# Altium PCB Copy of DIOT_SMA16_.PcbDoc (part 1 of 6)
Units mm, origin at the board's own origin, x right, y up, seen from the top; angles counter-clockwise.
Board outline 222.37 x 100 mm, 6 copper layers (TopLayer, MidLayer1, MidLayer2, Layer 1, Layer 2, Bottom Layer), stack 1.556 mm thick; 432 components, 301 nets, 1783 pads, 831 vias.
Unrouted connection lines stored in the file: 8.
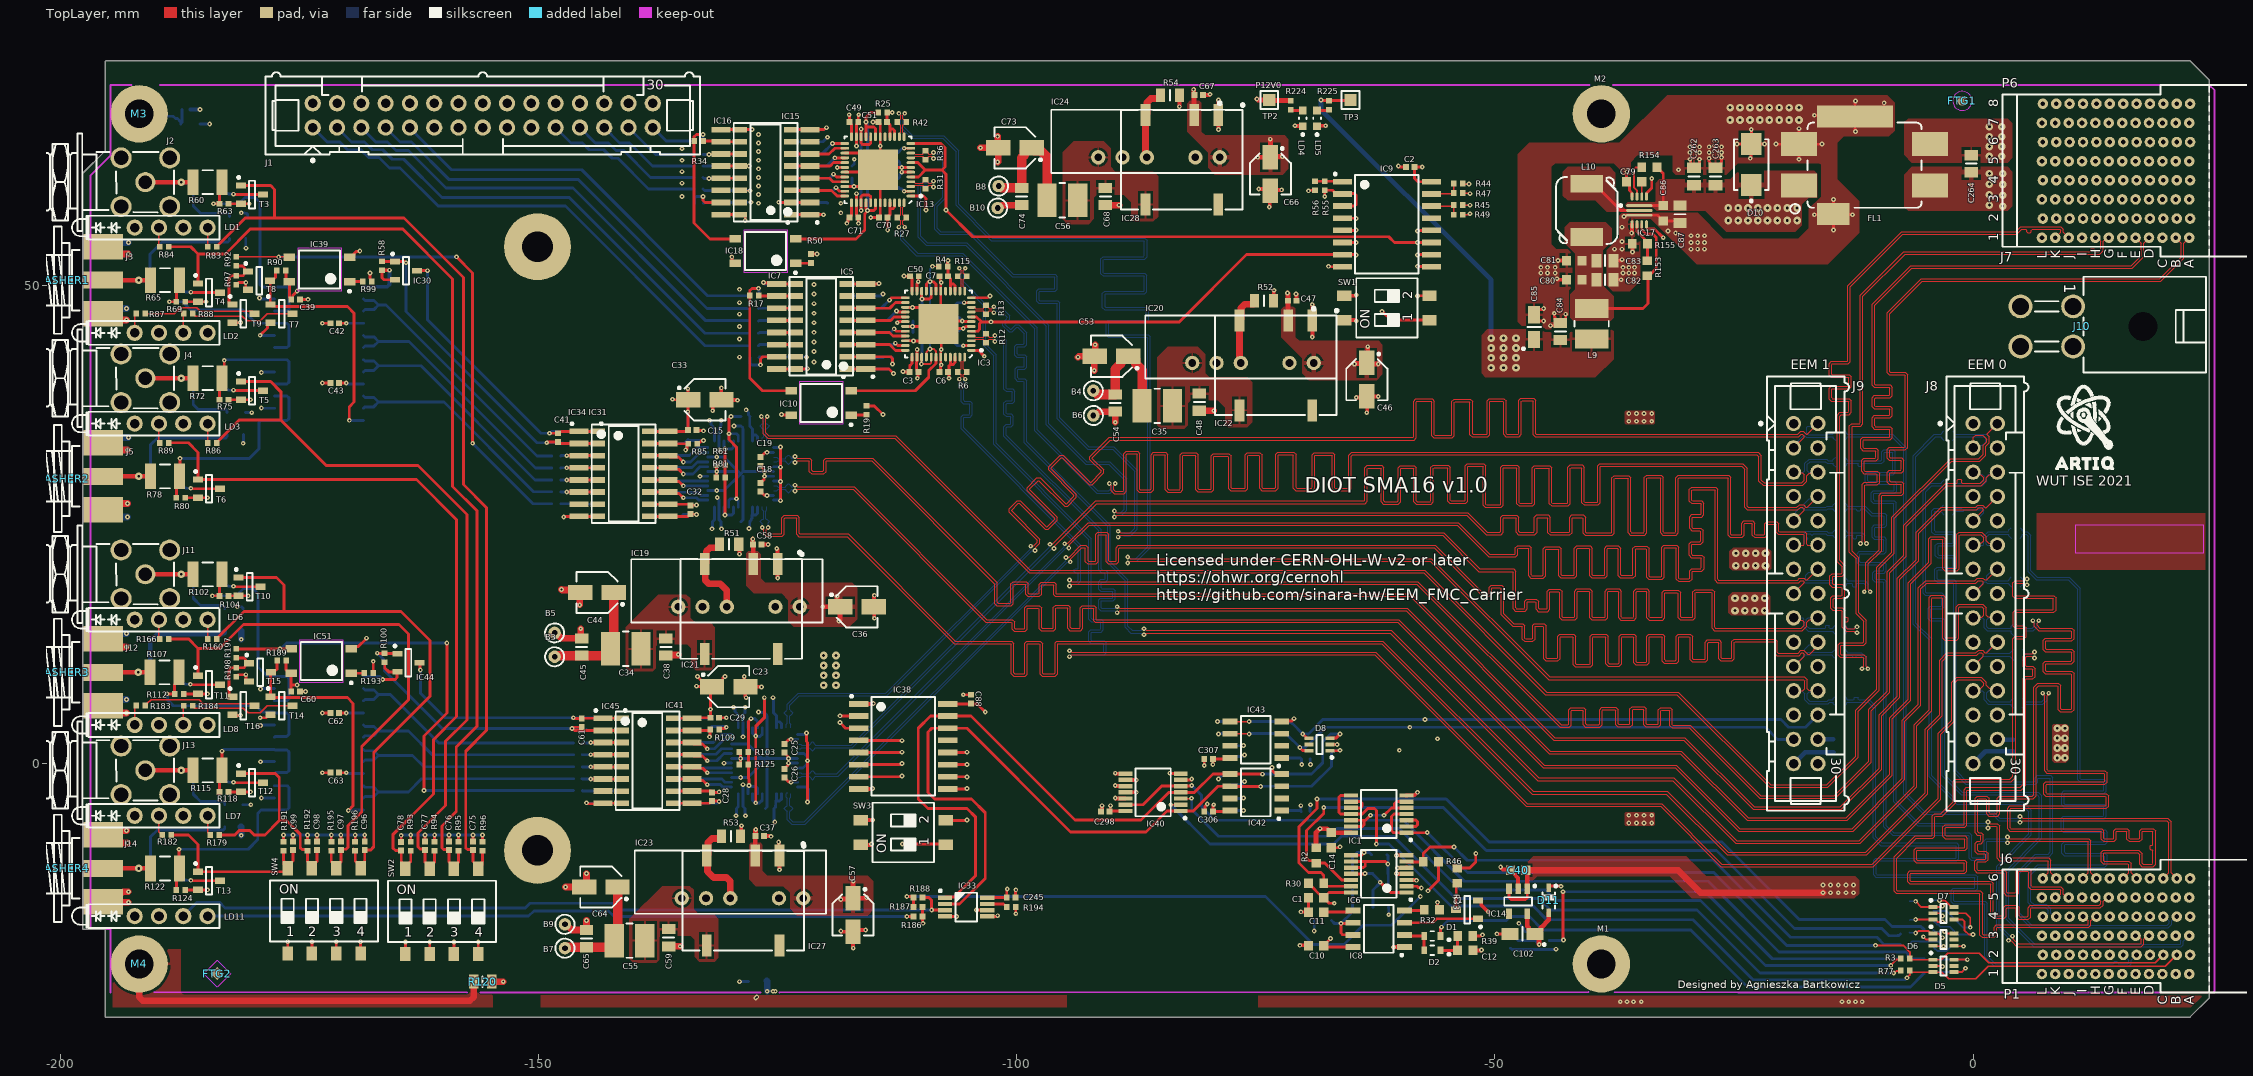
[diagram p0: TopLayer view]
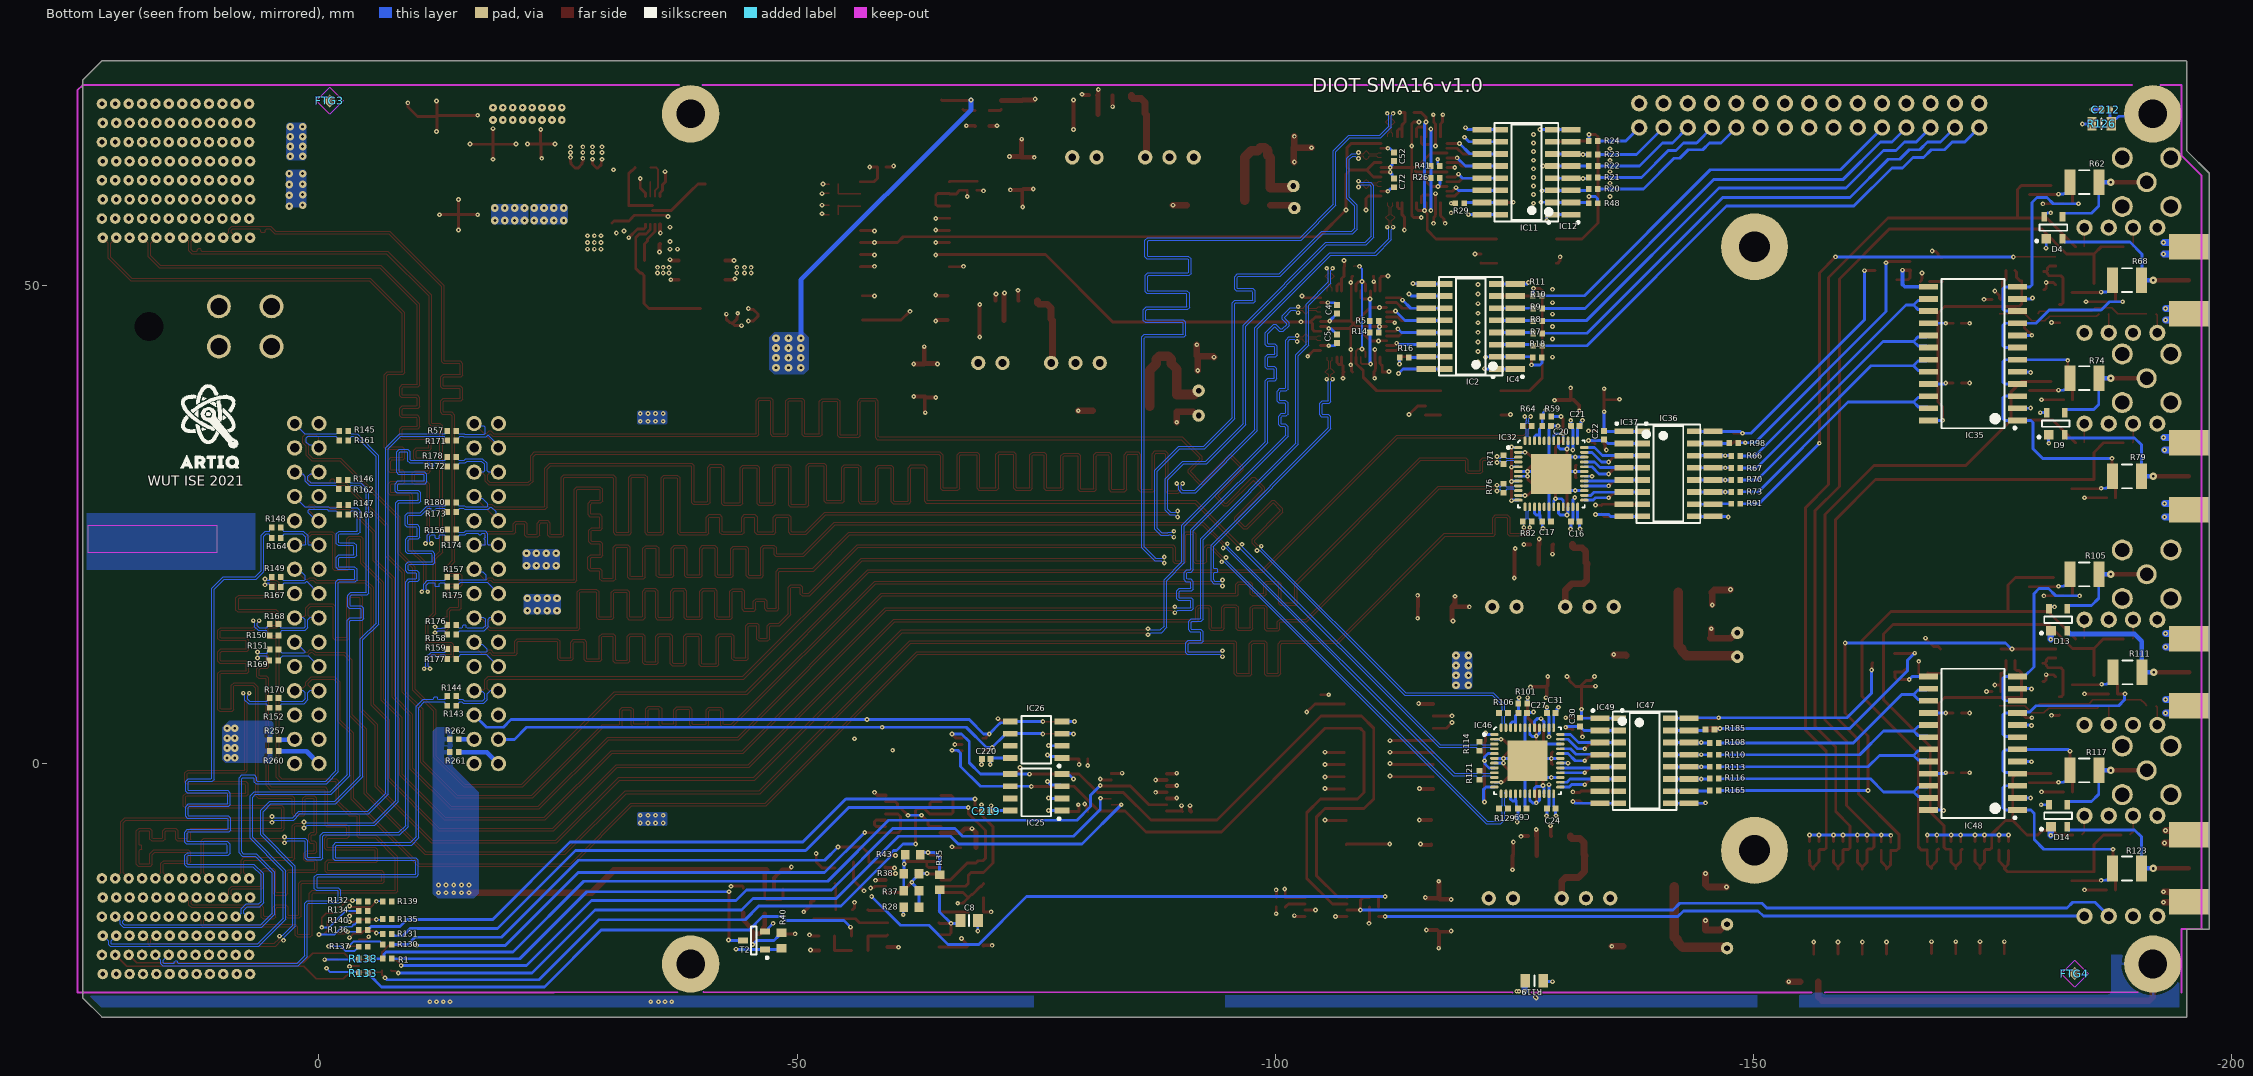
[diagram p1: Bottom Layer view, seen from below]
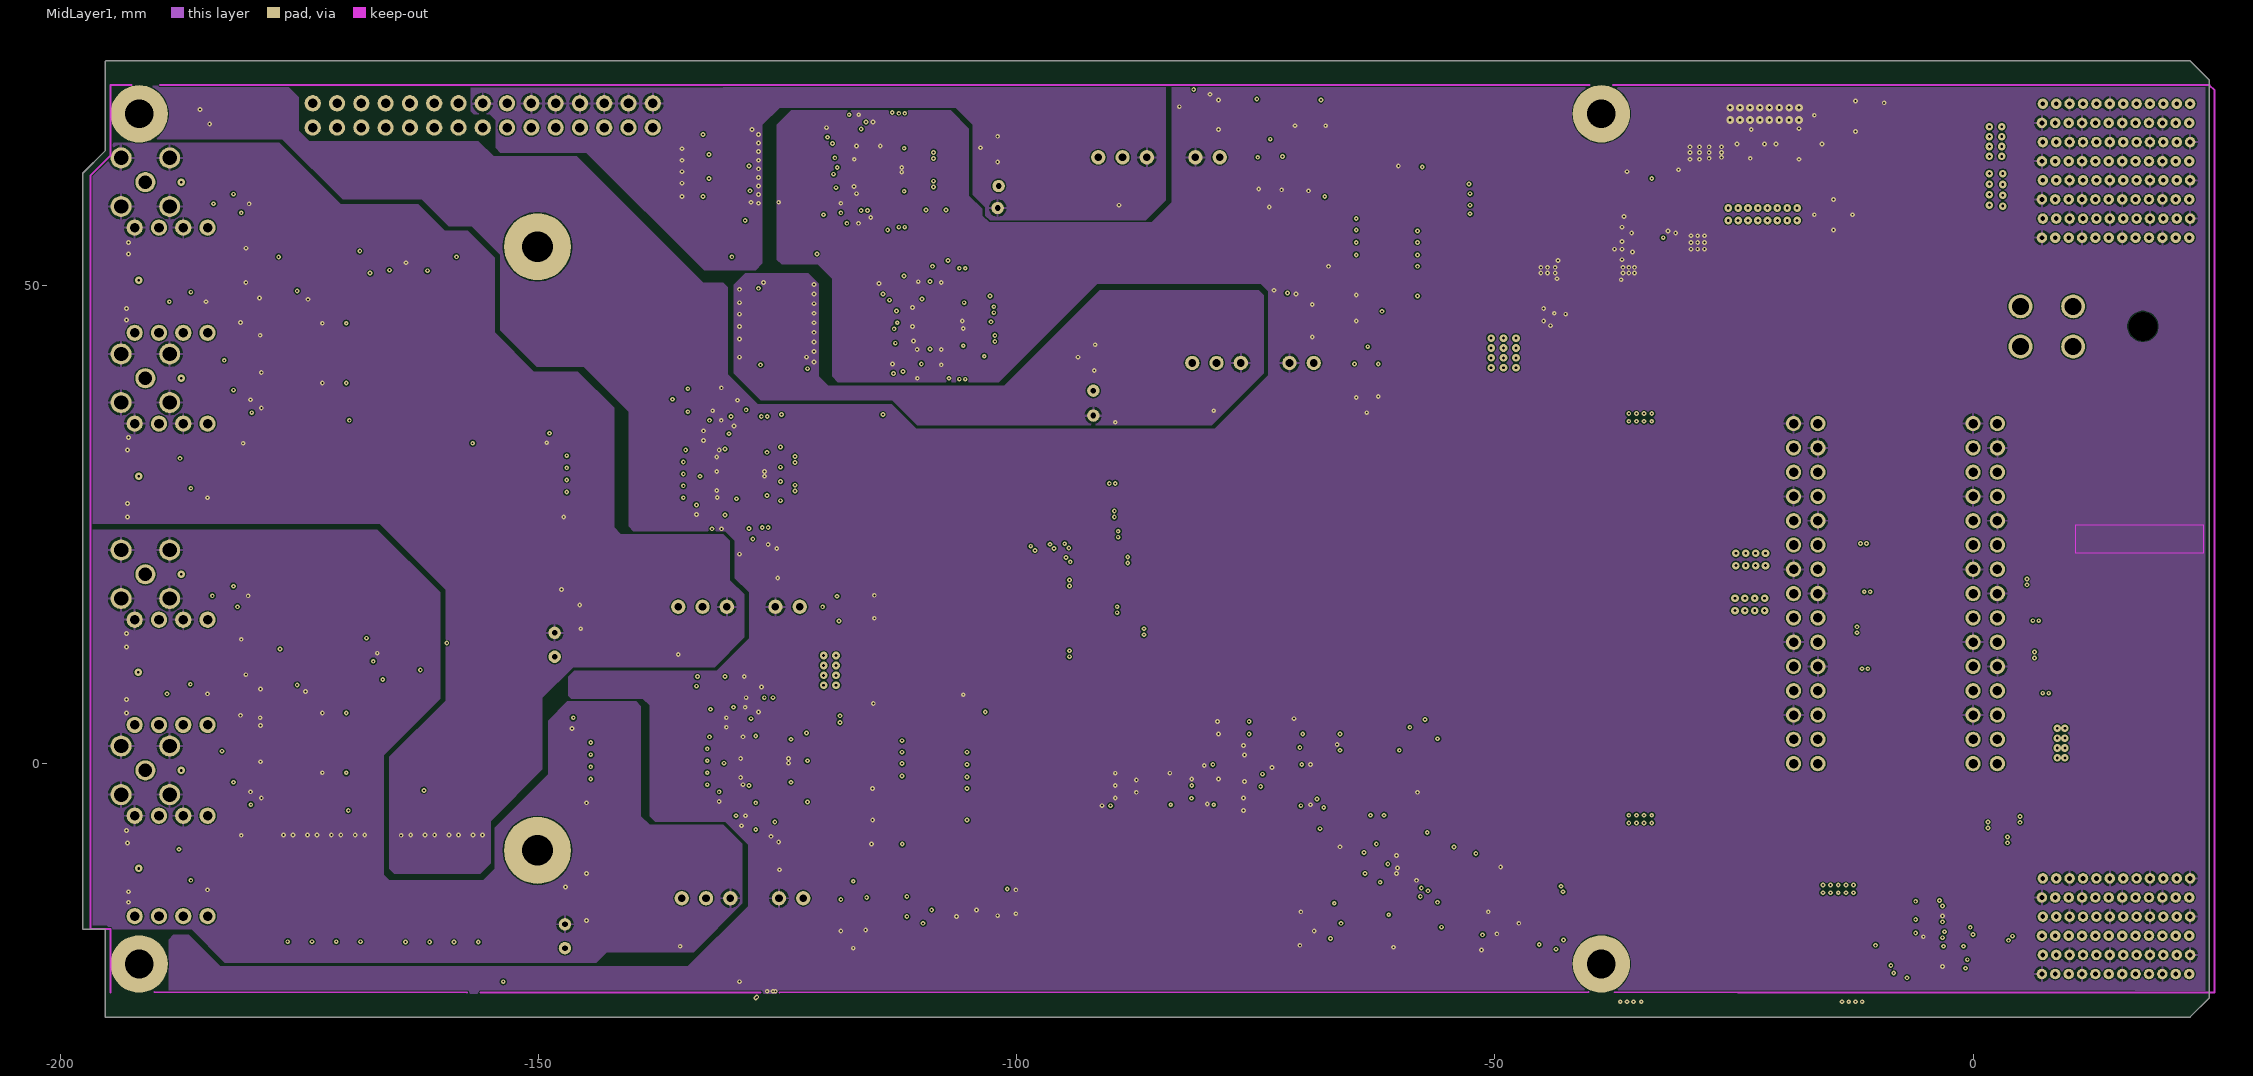
[diagram p2: MidLayer1]
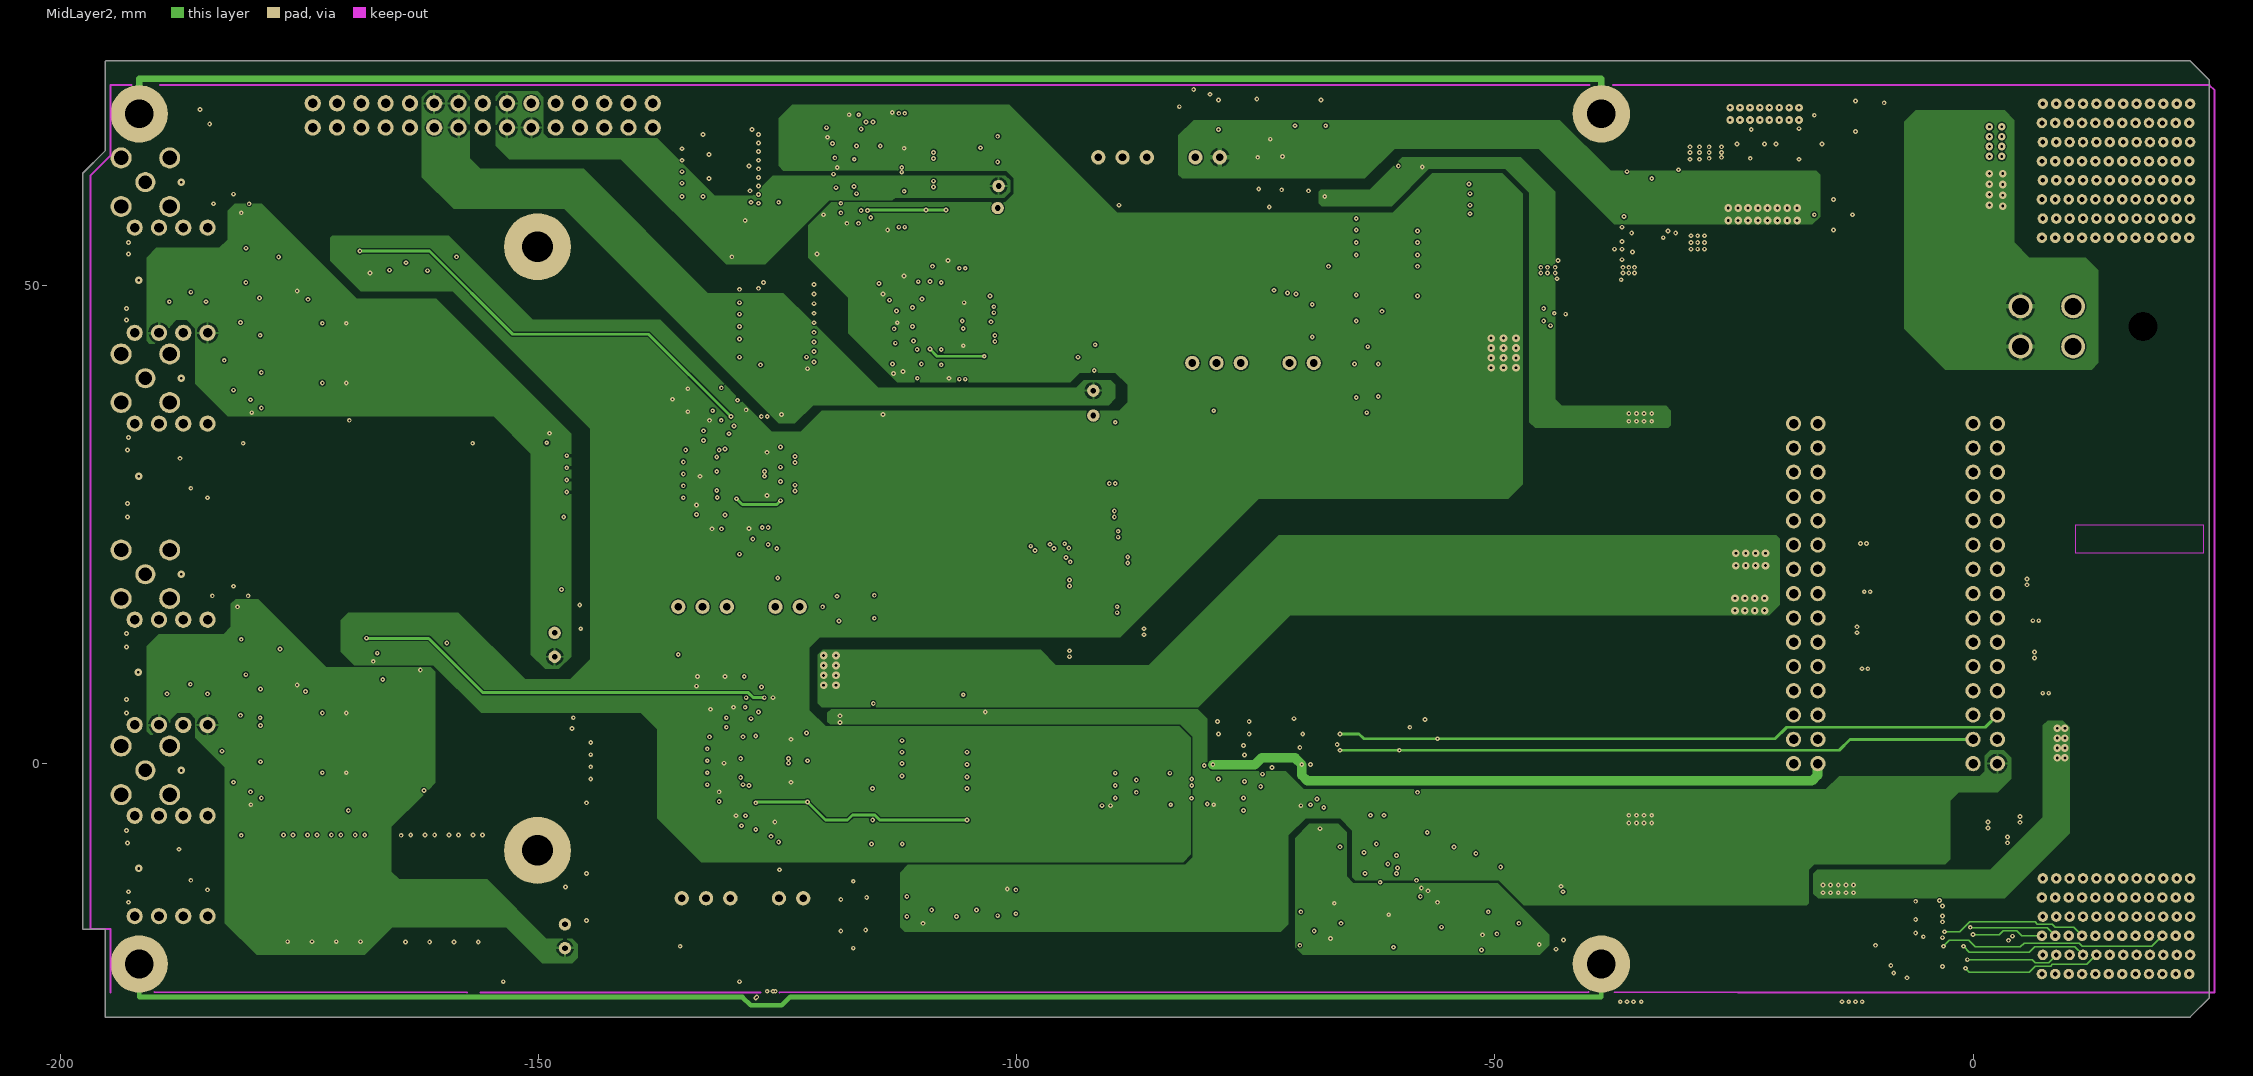
[diagram p3: MidLayer2]
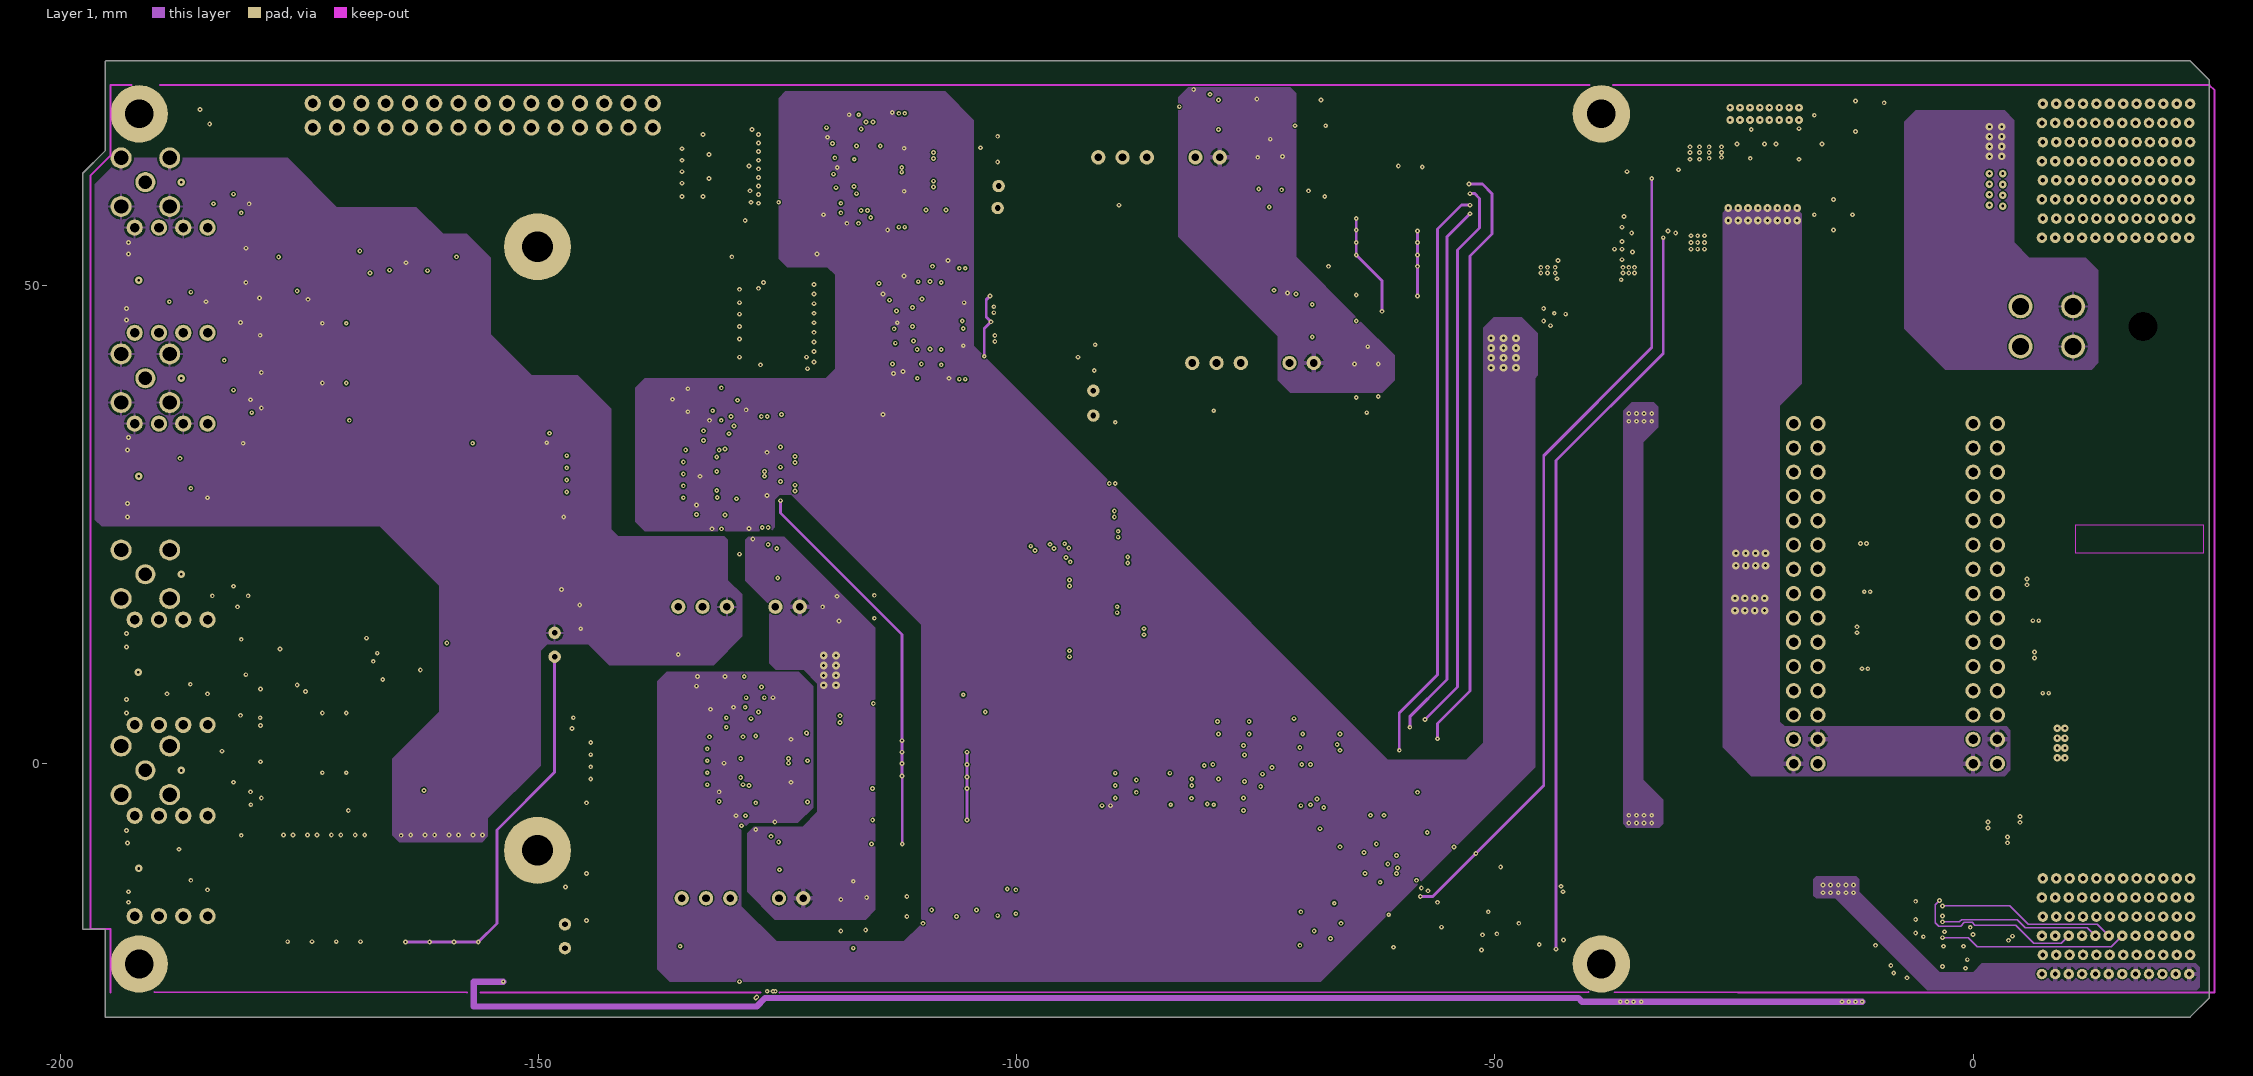
[diagram p4: Layer 1]